# Altium PCB 宠物机器人&导购机器人.PcbDoc (part 1 of 14)
Units mil, origin at the board's own origin, x right, y up, seen from the top; angles counter-clockwise.
Board outline 6899.61 x 2204.72 mil, 2 copper layers (Top Layer, Bottom Layer); 229 components, 218 nets, 23463 pads, 263 vias.
Unrouted connection lines stored in the file: 107.
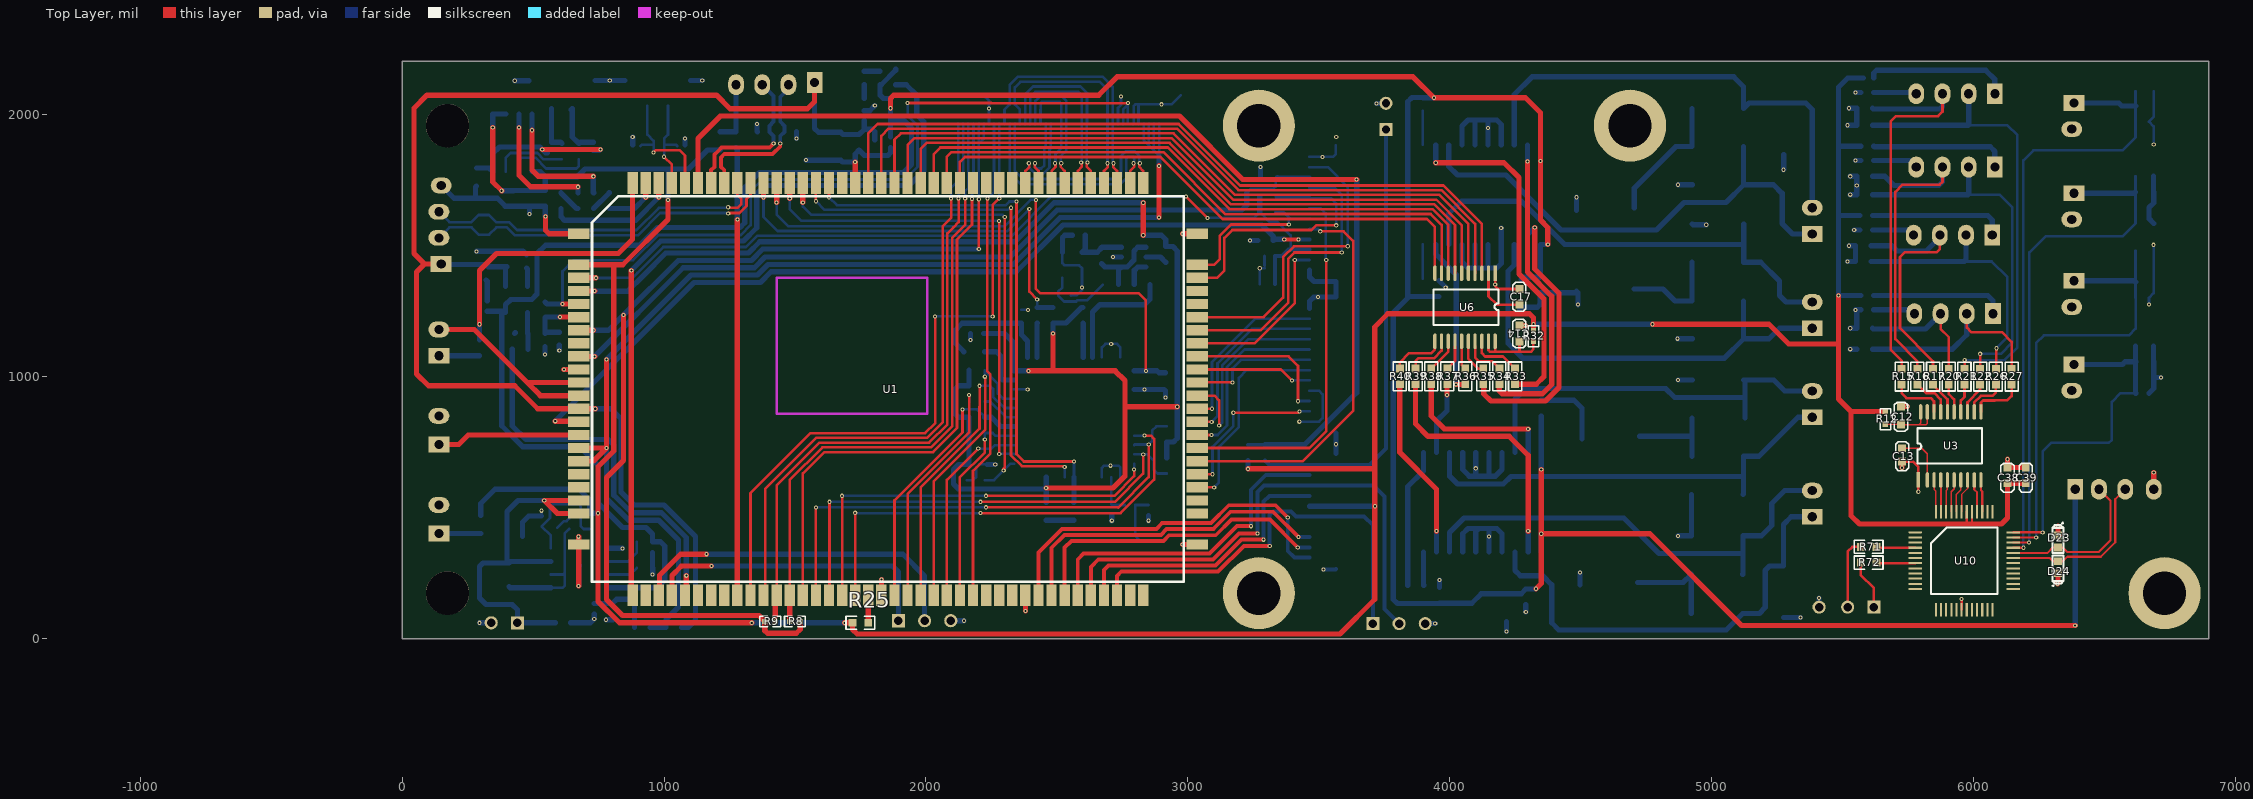
[diagram p0: Top Layer view]
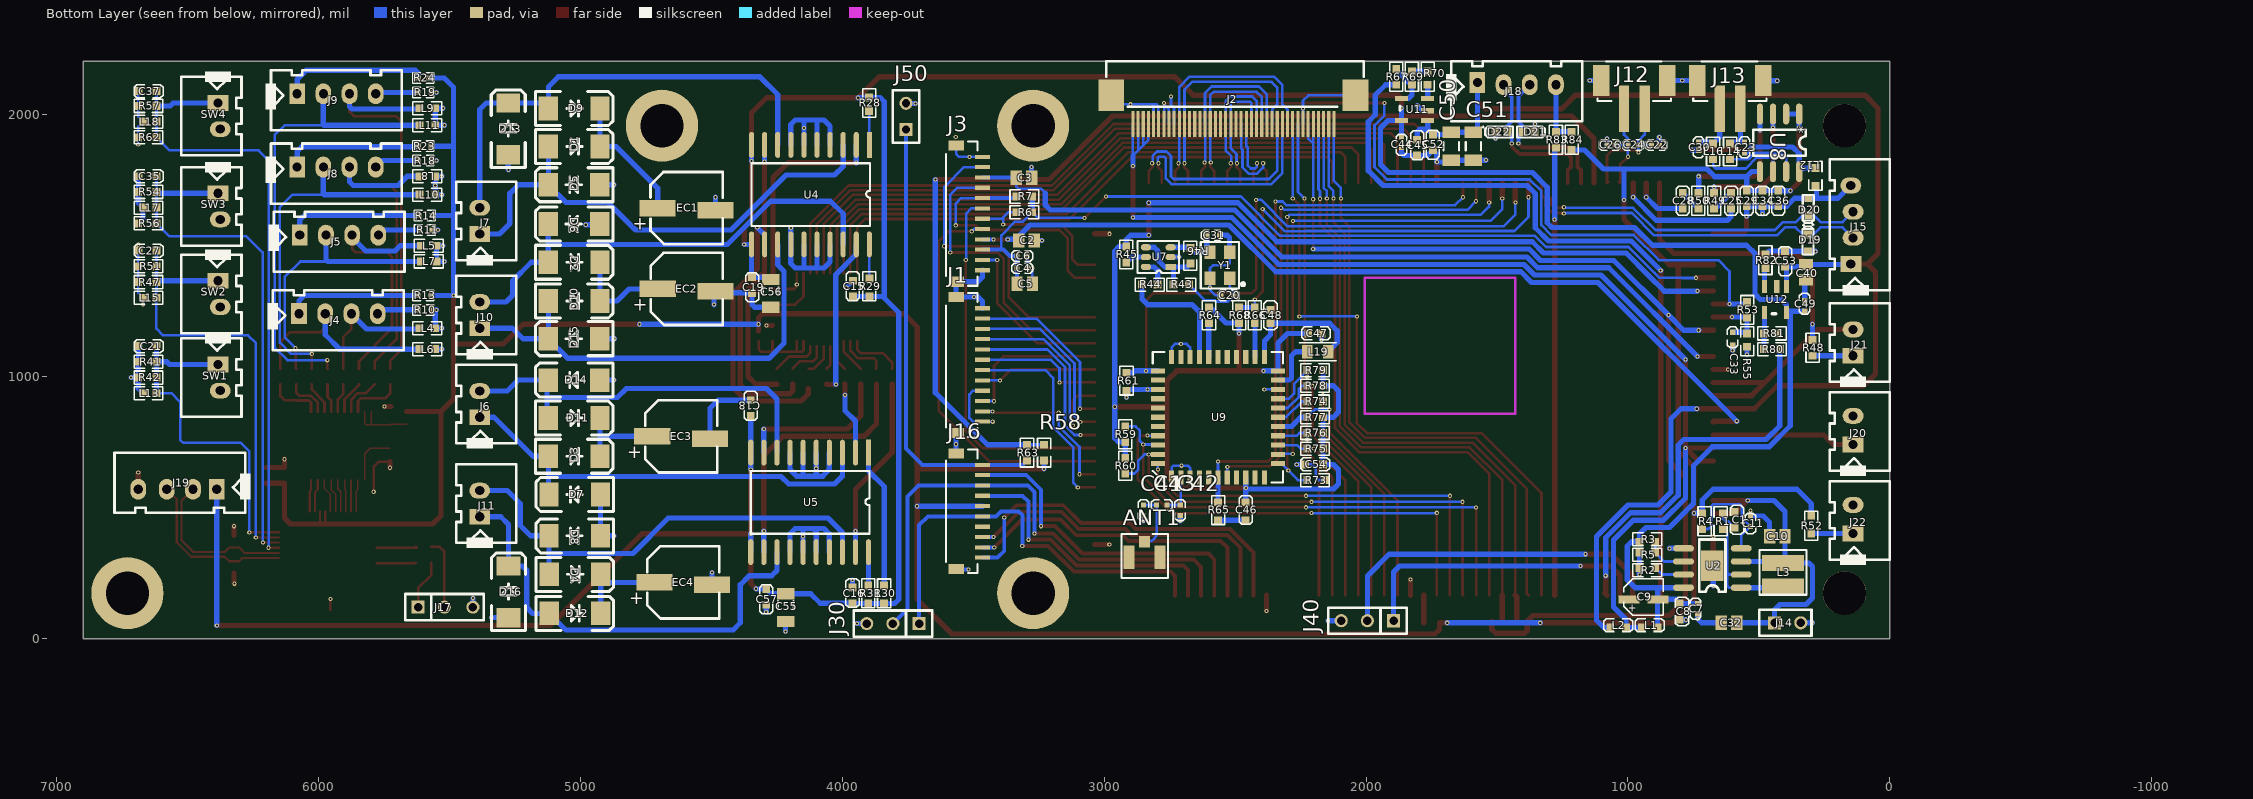
[diagram p1: Bottom Layer view, seen from below]
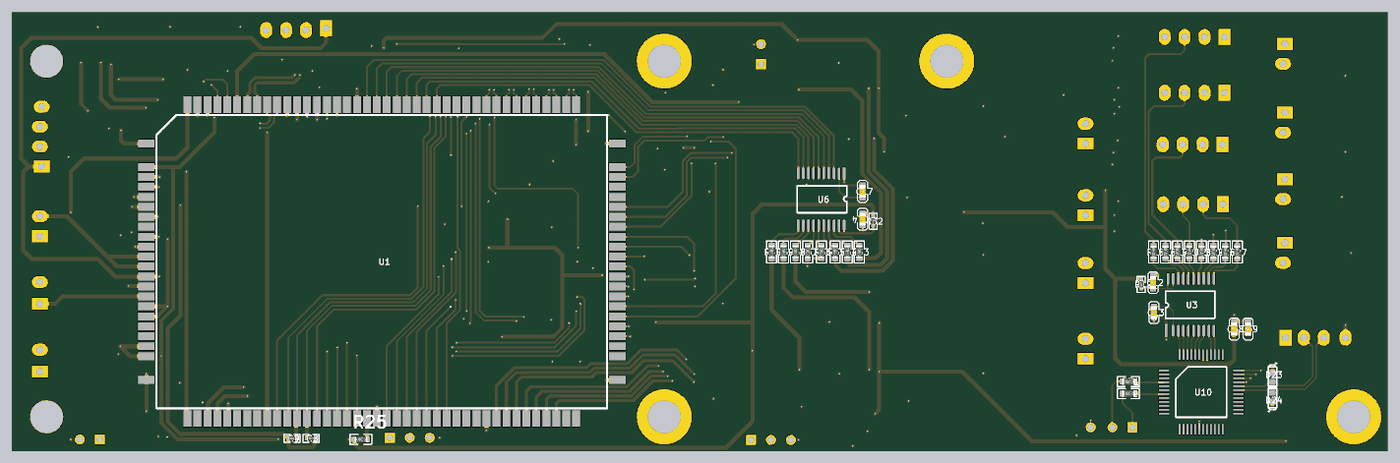
[diagram p15: 3D render of the assembled board from above, using the file's embedded part models]
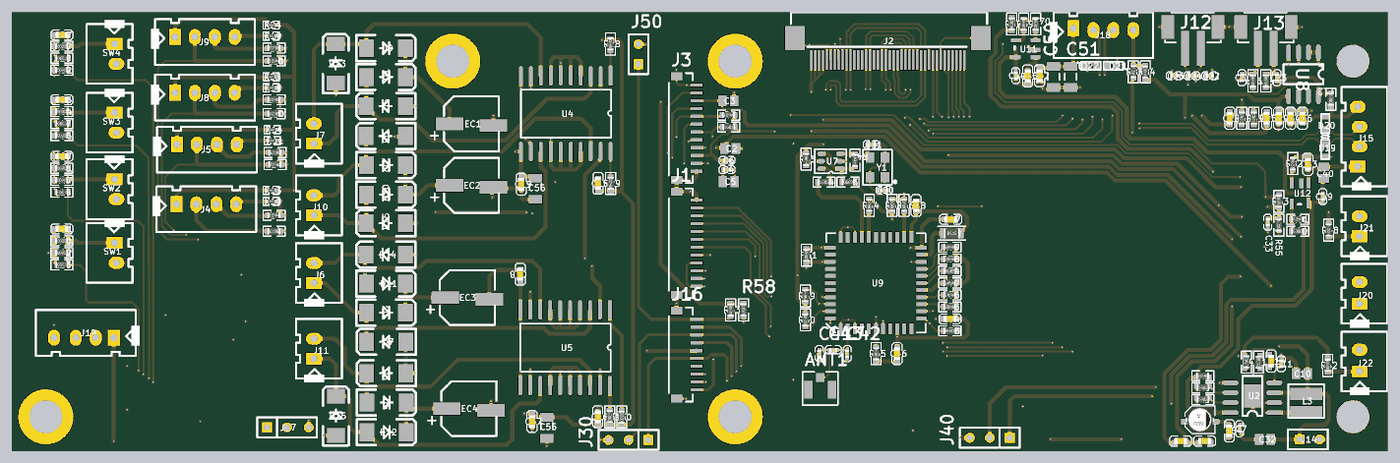
[diagram p16: 3D render of the assembled board from below, using the file's embedded part models]

## Layer stack, top to bottom
Top Solder: solder mask 0.4, Solder Resist, Dk 3.5
Top Layer: signal copper 1.4
Dielectric 1: dielectric 12.6, FR-4, Dk 4.8
Bottom Layer: signal copper 1.4
Bottom Solder: solder mask 0.4, Solder Resist, Dk 3.5

## Board outline
0,0 0,2204.72 6899.61,2204.72 6899.61,0

## Design rules (kind name [scope] priority, off if disabled: settings)
Clearance Clearance_1 [All] p1: gap=8 ignorepadtopadclearanceinfootprint=FALSE except(6: SMDPad-SMDPad)
DiffPairsRouting [All] p1: maxlimit=10 minlimit=8 mostfreqgap=10 toplayer_minwidth=8 toplayer_maxwidth=15 toplayer_prefwidth=8 bottomlayer_minwidth=8 bottomlayer_maxwidth=15 bottomlayer_prefwidth=8 maxuncoupledlength=500
MinimumSolderMaskSliver [All] p1: minsoldermaskwidth=2
PlaneConnect [All] p1: planeconnectstyle=Direct reliefexpansion=20 reliefentries=4 reliefconductorwidth=10 reliefairgap=10
PolygonConnect PolygonConnect_2 [IsVia] p1: connectstyle=Direct reliefconductorwidth=10 reliefentries=4 polygonreliefangle="90 Angle" airgapwidth=10
PolygonConnect [All] p2: connectstyle=Relief reliefconductorwidth=10 reliefentries=4 polygonreliefangle="90 Angle" airgapwidth=10
RoutingVias [All] p1: holewidth=8 width=16 viastyle="Through Hole" minholewidth=8 minwidth=16 maxholewidth=8 maxwidth=16
SilkToSilkClearance [All] p1: silktosilkclearance=-1
SilkToSolderMaskClearance [IsPad] p1: minsilkscreentomaskgap=-1 clearancetoexposedcopper=TRUE
SolderMaskExpansion [All] p1: expansion=4
Width [All] p1: maxlimit=20 minlimit=6 preferedwidth=15
25 further rules are at their usual default settings.

## Components (designator, comment, footprint, x,y, rotation, side; value= is the part's Value field where it differs from the comment)
ANT1 "IPEX" J-IPEX 2905,310 r90 bottom
C1 "2.2NF" C0603#1 583.5,423.25 r90 bottom
C2 "226M50V" C0805#1 3297.31,1520 r180 bottom
C3 "226M50V" C0805#1 3307,1760 r180 bottom
C4 "104J10V" C0402#1 3333.31,1414 r180 bottom
C5 "226M50V" C0805#1 3303.79,1354 r180 bottom
C6 "104J10V" C0402#1 3333.31,1461 r180 bottom
C7 "0.1UF" C0402#2 742.5,133.25 r270 bottom
C8 "22UF" C0603#1 793.5,73.25 r90 bottom
C9 "100UF" CD3X5.3SMD 996,158.5 r0 bottom
C10 "226K25V" C0805#2 438.53,390 r180 bottom
C11 "1NF" C0402#3 532.5,419.25 r90 bottom
C12 "0.1UF" C0603#2 5723.94,816.92 r90 top
C13 "0.1UF" C0603#3 5727.94,666.42 r90 top
C14 "0.1UF" C0603#4 4266.73,1134.92 r90 top
C15 "0.1UF" C0603#5 3960,1315.5 r90 bottom
C16 "0.1UF" C0603#5 3961.25,143.5 r90 bottom
C17 "0.1UF" C0603#4 4266.73,1334.92 r270 top
C18 "0.1UF" C0603#6 4350,919 r270 bottom
C19 "0.1UF" C0603#6 4345,1311 r90 bottom
C20 "220J10V" C0402#4 2505,1310 r0 bottom
C21 "1uf" C0603#2 6619.5,1116.69 r0 bottom
C22 "33PF" C0402#5 871.31,1885 r0 bottom
C23 "1NF" C0402#1 555,1895.5 r270 bottom
C24 "100PF" C0402#1 960.31,1885 r0 bottom
C25 "4.7NF" C0603#4 606,1642 r90 bottom
C26 "33PF" C0402#6 1049.31,1885 r0 bottom
C27 "1uf" C0603#2 6619.5,1481.25 r0 bottom
C28 "4.7NF" C0603#4 791,1642 r90 bottom
C29 "10UF" C0603#5 546.25,1702 r270 bottom
C30 "1NF" C0402#6 730,1895.5 r270 bottom
C31 "220J10V" C0402#4 2609,1540 r180 bottom
C32 "226K25V" C0805#2 605,60 r0 bottom
C33 "104J10V" C0402#4 600,1170 r270 bottom
C34 "10UF" C0603#5 486.25,1702 r270 bottom
C35 "1uf" C0603#2 6619.5,1765.37 r0 bottom
C36 "1uf" C0603#5 426.25,1702 r270 bottom
C37 "1uf" C0603#2 6619.5,2090.37 r0 bottom
C38 "0.1UF" C0603#6 6130.5,584.37 r90 top
C39 "10UF" C0603#6 6200.5,584.37 r90 top
C40 "226K25V" C0805#2 320,1390 r90 bottom
C41 "NC" C0402#1 2850,470 r90 bottom
C42 "NC" C0402#1 2710,470 r90 bottom
C43 "330J10V" C0402#1 2760,510 r0 bottom
C44 "104J10V" C0402#3 1865,1866 r90 bottom
C45 "10UF" C0603#6 1805,1914 r270 bottom
C46 "106K50V" C0603#2 2460,520.5 r270 bottom
C47 "475K16V" C0603#3 2161,1165 r0 bottom
C48 "475K16V" C0603#3 2365,1264 r270 bottom
C49 "104J10V" C0402#3 325,1299 r270 bottom
C50 "220UF 20%" C1206#1 1675,1880 r270 bottom
C51 "220UF 20%" C1206#1 1590,1880 r270 bottom
C52 "106K50V" C0603#6 1745,1856 r90 bottom
C53 "10UF" C0603#6 400,1411 r90 bottom
C54 "105K16V" C0603#2 2164.5,665 r0 bottom
C55 "220UF 20%" C1206#2 4217,127 r270 bottom
C56 "220UF 20%" C1206#2 4274,1327 r270 bottom
C57 "106K50V" C0603#6 4291,119.71 r90 bottom
D1 "RS1M" D-SMA/DO-214AC 5122.69,1879 r180 bottom
D2 "RS1M" D-SMA/DO-214AC 5122.69,1437 r180 bottom
D3 "RS1M" D-SMA/DO-214AC 5122.69,696 r180 bottom
D4 "RS1M" D-SMA/DO-214AC 5119.69,245 r180 bottom
D5 "RS1M" D-SMA/DO-214AC 4926.69,1733 r0 bottom
D6 "RS1M" D-SMA/DO-214AC 4926.69,1583 r0 bottom
D7 "RS1M" D-SMA/DO-214AC 4923.69,550 r0 bottom
D8 "RS1M" D-SMA/DO-214AC 4923.69,392 r0 bottom
D9 "RS1M" D-SMA/DO-214AC 5122.69,2024 r180 bottom
D10 "RS1M" D-SMA/DO-214AC 5122.69,1289 r180 bottom
D11 "RS1M" D-SMA/DO-214AC 5122.69,842 r180 bottom
D12 "RS1M" D-SMA/DO-214AC 5119.69,96 r180 bottom
D13 "RS1M" D-SMA/DO-214AC 5276,1848.15 r90 bottom
D14 "RS1M" D-SMA/DO-214AC 4926.69,987 r0 bottom
D15 "RS1M" D-SMA/DO-214AC 4926.69,1145 r0 bottom
D16 "RS1M" D-SMA/DO-214AC 5275,80 r90 bottom
D19 "ESDA_TR1/0603" HS_0603D#1 312.04,1515 r270 bottom
D20 "ESDA_TR1/0603" HS_0603D#1 311.54,1645 r90 bottom
D21 "ESDA_TR1/0603" HS_0603D#2 1375,1935 r0 bottom
D22 "ESDA_TR1/0603" HS_0603D#2 1487.5,1935 r180 bottom
D23 "ESDA_TR1/0603" HS_0603D#2 6323,375 r270 top
D24 "ESDA_TR1/0603" HS_0603D#2 6323,267.5 r90 top
EC1 "100uF/16V" CD6.3x8SMD 4705.47,1644 r90 bottom
EC2 "100uF/16V" CD6.3x8SMD 4705,1335 r90 bottom
EC3 "100uF/16V" CD6.3x8SMD 4726,772 r90 bottom
EC4 "100uF/16V" CD6.3x8SMD 4718,214 r90 bottom
J1 "SH1.0-T-1-LT-12A_卧式" J-SH1.0-T-1-LT-12A_立式 3465,1261.22 r270 bottom locked
J2 "LCD_40P" "LCD P40" 2973.23,2074.57 r180 bottom locked
J3 "SH1.0-T-1-LT-12A_卧式" J-SH1.0-T-1-LT-12A_立式 3465,1839.33 r270 bottom locked
J4 "XH2.54-4P" XH2.54-4P#1 6075,1240.37 r180 bottom
J5 "XH2.54-4P" XH2.54-4P#1 6072.21,1540.35 r180 bottom
J6 "XH2.54-2P" XH2.54-2P#1 5385,845 r90 bottom
J7 "XH2.54-2P" XH2.54-2P#1 5385,1545 r90 bottom
J8 "XH2.54-4P" XH2.54-4P#1 6082.21,1800.35 r180 bottom
J9 "XH2.54-4P" XH2.54-4P#1 6082.21,2080.35 r180 bottom
J10 "XH2.54-2P" XH2.54-2P#1 5385,1185 r90 bottom
J11 "XH2.54-2P" XH2.54-2P#1 5385,465 r90 bottom
J12 "SH1.0-T-1-LT-2A_卧式" J-SH2.0-T-1-LT-2A_立式 936.26,2022.73 r0 bottom
J13 "SH1.0-T-1-LT-2A_卧式" J-SH2.0-T-1-LT-2A_立式 570.65,2022.73 r0 bottom
J14 "S2.54-2P" S2.54-2P#1 449,60 r180 bottom
J15 "XH2.54-4P" XH2.54-4P#2 140,1430 r90 bottom
J16 "SH1.0-T-1-LT-10A_卧式" J-SH1.0-T-1-LT-10A_立式 3465,663.11 r270 bottom locked
J17 "S2.54-3P" S2.54-3P#1 5620,120 r180 bottom
J18 "XH2.54-4P" XH2.54-4P#3 1575,2115 r180 bottom locked
J19 "XH2.54-4P" XH2.54-4P#4 6380,570 r0 bottom
J20 "XH2.54-2P" XH2.54-2P#2 140,741 r90 bottom
J21 "XH2.54-2P" XH2.54-2P#1 140,1080 r90 bottom
J22 "XH2.54-2P" XH2.54-2P#2 140,401 r90 bottom
J30 "S2.54-3P" S2.54-3P#2 3707,57 r0 bottom
J40 "S2.54-3P" S2.54-3P#2 1895,68 r0 bottom
J50 "S2.54-2P" S2.54-2P#2 3757,1944 r90 bottom
L1 "10uH" C0603#1 887.29,51.28 r0 bottom
L2 "10uH NC" C0603#1 1007.5,51.28 r0 bottom
L3 "3.3uH" LSMD3521 407.5,297.25 r270 bottom
L4 "120R" R0603#1 5555,1185 r0 bottom
L5 "120R" R0603#1 5550,1500 r0 bottom
L6 "120R" R0603#1 5555,1105 r0 bottom
L7 "120R" R0603#1 5550,1440 r0 bottom
L8 "120R" R0603#1 5555,1765 r0 bottom
L9 "120R" R0603#1 5555,2025 r0 bottom
L10 "120R" R0603#1 5555,1695 r0 bottom
L11 "120R" R0603#1 5555,1960 r0 bottom
L12 "120R" R0603#2 284,1737 r90 bottom
L13 "120R" R0603#3 6680,936.69 r180 bottom
L14 "120R" R0603#1 610,1890 r270 bottom
L15 "120R" R0603#3 6680,1301.25 r180 bottom
L16 "120R" R0603#1 675,1890 r270 bottom
L17 "120R" R0603#3 6680,1645.37 r180 bottom
L18 "120R" R0603#3 6680,1973.87 r180 bottom
L19 "3.3uH" L0805 2225,1095 r180 bottom
R1 "1.5R" R0603#4 646.5,478.25 r270 bottom
R2 "43K" R0603#4 956,260.5 r180 bottom
R3 "73K" R0603#4 896,378.5 r0 bottom
R4 "10K" R0603#4 707.5,418.25 r90 bottom
R5 "10K" R0603#4 956,319.5 r180 bottom
R6 "100KF" R0603#1 3335,1628 r180 bottom
R7 "100KF" R0603#1 3275,1688 r0 bottom
R8 "4.7KF" R0402#1 1520,65 r180 top
R9 "4.7KF" R0402#1 1385,65 r0 top
R10 "0R" R0402#2 5620,1255.16 r180 bottom
R11 "200K" R0402#2 5615,1560 r180 bottom
R12 "200K" R0402#2 5663.94,817.92 r90 top
R13 "200K" R0402#2 5620,1310 r180 bottom
R14 "200K" R0402#2 5615,1615 r180 bottom
R15 "0R" R0603#1 5726.21,1030.35 r270 top
R16 "0R" R0603#1 5786.21,1030.35 r270 top
R17 "0R" R0603#1 5846.21,1030.35 r270 top
R18 "200K" R0402#2 5620,1825 r180 bottom
R19 "200K" R0402#2 5620,2085 r180 bottom
R20 "0R" R0603#1 5906.21,1030.35 r270 top
R21 "0R" R0603#1 5966.21,1030.35 r270 top
R22 "0R" R0603#1 6026.21,1030.35 r270 top
R23 "200K" R0402#2 5620,1880 r180 bottom
R24 "200K" R0402#1 5620,2140.35 r180 bottom
R25 "10k" R0603#1 1720,60 r0 top
R26 "0R" R0603#1 6086.21,1030.35 r270 top
R27 "0R" R0603#1 6146.21,1030.35 r270 top
R28 "0R" R0603#5 3898,2015 r90 bottom
R29 "0R" R0603#2 3897,1315 r90 bottom
R30 "0R" R0603#6 3841,202.29 r270 bottom
R31 "0R" R0603#2 3901.25,143 r90 bottom
R32 "200K" R0402#1 4320,1135 r90 top
R33 "0R" R0603#1 4250,970.92 r90 top
R34 "0R" R0603#1 4190,970.92 r90 top
R35 "0R" R0603#1 4128.54,970.92 r90 top
R36 "0R" R0603#1 4059.98,970.92 r90 top
R37 "0R" R0603#1 3991.42,970.92 r90 top
R38 "0R" R0603#1 3930,970.92 r90 top
R39 "0R" R0603#1 3870,970.92 r90 top
R40 "0R" R0603#1 3810,970.92 r90 top
R41 "0R" R0603#6 6620,1056.69 r0 bottom
R42 "10K" R0603#6 6620,996.69 r0 bottom
R43 "100RF" R0603#1 2735.98,1351.57 r180 bottom
R44 "470RF" R0603#1 2855.98,1351.57 r180 bottom
R45 "3KF" R0603#1 2915.98,1496.57 r270 bottom
R46 "560KF" R0603#1 2670.98,1491.57 r270 bottom
R47 "0R" R0603#6 6620,1361.25 r0 bottom
R48 "2.49KF" R0603#1 295,1080 r90 bottom
R49 "150K" R0603#1 671,1642 r90 bottom
R50 "150K" R0603#1 731,1642 r90 bottom
R51 "10K" R0603#6 6620,1421.25 r0 bottom
R52 "100R" R0603#6 300,401 r90 bottom
R53 "10KF" R0603#1 545,1225 r90 bottom
R54 "0R" R0603#6 6620,1705.37 r0 bottom
R55 "10KF" R0603#3 545,1105 r90 bottom
R56 "10K" R0603#6 6620,1585.37 r0 bottom
R57 "0R" R0603#6 6620,2033.87 r0 bottom
R58 "100KF" R0603#1 3230,680 r90 bottom
R59 "10KF" R0603#1 2920,750 r90 bottom
R60 "10KF" R0603#1 2920,690 r270 bottom
R61 "100KF" R0603#6 2915,1015 r270 bottom
R62 "10K" R0603#6 6620,1913.87 r0 bottom
R63 "6.8KF" R0603#1 3295,740 r270 bottom
R64 "0R" R0603#1 2600,1204.5 r90 bottom
R65 "100KF" R0603#6 2565,520.5 r270 bottom
R66 "0R" R0603#1 2425,1204.5 r90 bottom
R67 "4.7K" R0603#1 1885,2115 r90 bottom
R68 "10KF" R0603#1 2485,1204.5 r90 bottom
R69 "100K" R0603#3 1825,2175 r270 bottom
R70 "6.8K" R0603#3 1765,2175 r270 bottom
R71 "22R" R0603#1 5570,350 r0 top
R72 "22R" R0603#1 5570,290 r0 top
R73 "100KF" R0603#6 2225,605 r180 bottom
R74 "33RF" R0603#1 2225,905 r180 bottom
R75 "33KF" R0603#1 2165,725 r0 bottom
R76 "33KF" R0603#1 2165,785 r0 bottom
R77 "33KF" R0603#1 2165,845 r0 bottom
R78 "33KF" R0603#1 2165,965 r0 bottom
R79 "33KF" R0603#1 2165,1025 r0 bottom
R80 "4.7K" R0603#1 420,1105 r0 bottom
R81 "100K" R0603#3 420,1165 r0 bottom
R82 "6.8K" R0603#3 475,1475 r270 bottom
R83 "1KF" R0603#1 1275,1875 r90 bottom
R84 "47KF" R0603#6 1215,1935 r270 bottom
SW1 "XH2.54-2P" XH2.54-2P#3 6385,1046.69 r270 bottom
SW2 "XH2.54-2P" XH2.54-2P#3 6385,1366 r270 bottom
SW3 "XH2.54-2P" XH2.54-2P#3 6385,1700.37 r270 bottom
SW4 "XH2.54-2P" XH2.54-2P#3 6385,2045.37 r270 bottom
U1 "A33 CORE2" A33-CORE2 673.9,1427.4 r0 top locked
U2 "FP6267B" U-SOP-8N-1 567.5,203.25 r0 bottom
U3 "SN74GTL2003" "U-TSSOP20 - duplicate"#1 5798.84,605.5 r90 top
U4 "L293DD" S020 3897,1884.92 r270 bottom locked
U5 "L293DD" S020 3900,710 r270 bottom locked
U6 "SN74GTL2003" "U-TSSOP20 - duplicate"#2 4174.09,1395 r270 top
U7 "NL27WZU04" U-TSOP-6 2746.5,1419.17 r0 bottom
U8 "CS8508E" SO-8 346,2003 r270 bottom locked
U9 "AP6210" AP6210 2742.83,615.67 r90 bottom locked
U10 "CH559L" LQFP48 5778.15,405.65 r0 top locked
U11 "AP2191WG-7" SOT23-5 1815,2025 r0 bottom
U12 "AP2191WG-7" SOT23-5 441.5,1295 r270 bottom
Y1 "26MHz" Y-CPX-32GA-4P 2521.18,1376.57 r90 bottom locked

## Footprints (in the part's own frame and the unit in brackets; to place one, negate y for a bottom-side part, rotate by r counter-clockwise, add the part's x,y. Pads: shape width x height; smd on the part's side, far side on the other; paste and mask are expansions set on the pad)
A33-CORE2 [mm]
  rect 2.1x1 smd: 1(0,0) 2(0,-1.27) 3(0,-2.54) 4(0,-3.81) 5(0,-5.08) 6(0,-6.35) 7(0,-7.62) 8(0,-8.89) 9(0,-10.16) 10(0,-11.43) 11(0,-12.7) 12(0,-13.97) 13(0,-15.24) 14(0,-16.51) 15(0,-17.78) 16(0,-19.05) 17(0,-20.32) 18(0,-21.59) 19(0,-22.86) 20(0,-24.13) 61(60,-24.13) 62(60,-22.86) 63(60,-21.59) 64(60,-20.32) 65(60,-19.05) 66(60,-17.78) 67(60,-16.51) 68(60,-15.24) 69(60,-13.97) 70(60,-12.7) 71(60,-11.43) 72(60,-10.16) 73(60,-8.89) 74(60,-7.62) 75(60,-6.35) 76(60,-5.08) 77(60,-3.81) 78(60,-2.54) 79(60,-1.27) 80(60,0) 121(0,3) 122(0,-27.13) 123(60,-27.13) 124(60,3)
  rect 1x2.1 smd: 21(5.235,-32.065) 22(6.505,-32.065) 23(7.775,-32.065) 24(9.045,-32.065) 25(10.315,-32.065) 26(11.585,-32.065) 27(12.855,-32.065) 28(14.125,-32.065) 29(15.395,-32.065) 30(16.665,-32.065) 31(17.935,-32.065) 32(19.205,-32.065) 33(20.475,-32.065) 34(21.745,-32.065) 35(23.015,-32.065) 36(24.285,-32.065) 37(25.555,-32.065) 38(26.825,-32.065) 39(28.095,-32.065) 40(29.365,-32.065) 41(30.635,-32.065) 42(31.905,-32.065) 43(33.175,-32.065) 44(34.445,-32.065) 45(35.715,-32.065) 46(36.985,-32.065) 47(38.255,-32.065) 48(39.525,-32.065) 49(40.795,-32.065) 50(42.065,-32.065) 51(43.335,-32.065) 52(44.605,-32.065) 53(45.875,-32.065) 54(47.145,-32.065) 55(48.415,-32.065) 56(49.685,-32.065) 57(50.955,-32.065) 58(52.225,-32.065) 59(53.495,-32.065) 60(54.765,-32.065) 81(54.765,7.935) 82(53.495,7.935) 83(52.225,7.935) 84(50.955,7.935) 85(49.685,7.935) 86(48.415,7.935) 87(47.145,7.935) 88(45.875,7.935) 89(44.605,7.935) 90(43.335,7.935) 91(42.065,7.935) 92(40.795,7.935) 93(39.525,7.935) 94(38.255,7.935) 95(36.985,7.935) 96(35.715,7.935) 97(34.445,7.935) 98(33.175,7.935) 99(31.905,7.935) 100(30.635,7.935) 101(29.365,7.935) 102(28.095,7.935) 103(26.825,7.935) 104(25.555,7.935) 105(24.285,7.935) 106(23.015,7.935) 107(21.745,7.935) 108(20.475,7.935) 109(19.205,7.935) 110(17.935,7.935) 111(16.665,7.935) 112(15.395,7.935) 113(14.125,7.935) 114(12.855,7.935) 115(11.585,7.935) 116(10.315,7.935) 117(9.045,7.935) 118(7.775,7.935) 119(6.505,7.935) 120(5.235,7.935)
  Keep-Out Layer lines w0.254: 19.2,-14.465 33.8,-14.465 33.8,-1.265 19.2,-1.265 19.2,-14.465
  silkscreen extent 1.3,-30.76 58.7,6.63, body extent 0,-32.06 59.69,7.94, height 1.5
AP6210 [mm]
  rect 1.35x0.5 smd: 1(0,0) 2(0,-0.9) 3(0,-1.8) 4(0,-2.7) 5(0,-3.6) 6(0,-4.5) 7(0,-5.4) 8(0,-6.3) 9(0,-7.2) 10(0,-8.1) 11(0,-9) 23(11.65,-9) 24(11.65,-8.1) 25(11.65,-7.2) 26(11.65,-6.3) 27(11.65,-5.4) 28(11.65,-4.5) 29(11.65,-3.6) 30(11.65,-2.7) 31(11.65,-1.8) 32(11.65,-0.9) 33(11.65,0)
  rect 0.5x1.35 smd: 12(1.325,-10.325) 13(2.225,-10.325) 14(3.125,-10.325) 15(4.025,-10.325) 16(4.925,-10.325) 17(5.825,-10.325) 18(6.725,-10.325) 19(7.625,-10.325) 20(8.525,-10.325) 21(9.425,-10.325) 22(10.325,-10.325) 34(10.325,1.325) 35(9.425,1.325) 36(8.525,1.325) 37(7.625,1.325) 38(6.725,1.325) 39(5.825,1.325) 40(4.925,1.325) 41(4.025,1.325) 42(3.125,1.325) 43(2.225,1.325) 44(1.325,1.325)
  silkscreen extent -0.5,-10.83 12.15,1.83, body extent -0.2,-10.5 11.9,1.5, height 1.5
C0402#1 [mil]
  rect 20x20 smd: 1(0,0) 2(40,0)
  silkscreen extent -20,-20 60,20, body extent 0,-10 40,10, height 20
C0402#2 [mil]
  rect 20x20 smd: 1(0,9) 2(40,9)
  silkscreen extent -20,-20 60,20, body extent 0,-10 40,10, height 20
C0402#3 [mil]
  rect 20x20 smd: 1(9,0) 2(49,0)
  silkscreen extent -20,-20 60,20, body extent 0,-10 40,10, height 20
C0402#4 [mil]
  rect 20x20 smd: 1(0,0) 2(49,0)
  silkscreen extent -20,-20 60,20, body extent 0,-10 40,10, height 20
C0402#5 [mil]
  rect 20x20 smd: 1(9,0) 2(40,0)
  silkscreen extent -20,-20 60,20, body extent 0,-10 40,10, height 20
C0402#6 [mil]
  rect 20x20 smd: 1(0,0) 2(31,0)
  silkscreen extent -20,-20 60,20, body extent 0,-10 40,10, height 20
C0603#1 [mil]
  rect 30x30 smd: 1(0,9) 2(60,9)
  silkscreen extent -25,-25 85,25, body extent -1,-15 61,16, height 12
C0603#2 [mil]
  rect 30x30 smd: 1(0,0) 2(69,0)
  silkscreen extent -25,-25 85,25, body extent -1,-15 61,16, height 12
C0603#3 [mil]
  rect 30x30 smd: 1(9,0) 2(60,0)
  silkscreen extent -25,-25 85,25, body extent -1,-15 61,16, height 12
C0603#4 [mil]
  rect 30x30 smd: 1(0,0) 2(60,0)
  silkscreen extent -25,-25 85,25, body extent -1,-15 61,16, height 12
C0603#5 [mil]
  rect 30x30 smd: 1(-9,0) 2(51,0)
  silkscreen extent -25,-25 85,25, body extent -1,-15 61,16, height 12
C0603#6 [mil]
  rect 30x30 smd: 1(9,0) 2(69,0)
  silkscreen extent -25,-25 85,25, body extent -1,-15 61,16, height 12
C0805#1 [mm]
  rect 1.1x1.4 smd: 1(-0.75,0) 2(0.75,0)
  body extent -1.1,-0.72 1.1,0.72, height 1.4
C0805#2 [mm]
  rect 1.1x1.4 smd: 1(-0.521,0) 2(0.979,0)
  body extent -1.1,-0.72 1.1,0.72, height 1.4
C1206#1 [mm]
  rect 1.1x1.7 smd: 1(-1.35,0) 2(1.35,0)
  silkscreen extent -0.4,-0.75 0.4,0.75, body extent -1.7,-0.9 1.7,0.9, height 1.3
C1206#2 [mm]
  rect 1.1x1.7 smd: 1(-1.121,0) 2(1.579,0)
  silkscreen extent -0.4,-0.75 0.4,0.75, body extent -1.7,-0.9 1.7,0.9, height 1.3
CD3X5.3SMD [mil] "A"
  rect 80x30 smd: 1(0,9) 2(-110,9)
  silkscreen extent -130,-70 20,70, body extent -126,-65 16,65, height 213
CD6.3x8SMD [mm]
  rect 1.6x3.5 smd: 1(0,0) 2(-0.229,-5.6)
  silkscreen extent -3.5,-6.3 3.5,0.7, body extent -3.33,-6.76 3.33,1.19, height 8.3
D-SMA/DO-214AC [mil]
  rect 74x90 smd: 1(0,0) 2(196.85,0)
  silkscreen extent -50,-65 246,65, body extent -21,-57 216,57, height 91
HS_0603D#1 [mil]
  rect 30x30 smd: 1(-27.5,0) 2(36.5,0)
  silkscreen extent -70,-21 49,23
HS_0603D#2 [mil]
  rect 30x30 smd: 1(-18.5,0) 2(27.5,0)
  silkscreen extent -70,-21 49,23
J-IPEX [mm]
  rect 1.1x1.05 smd: 1(1.525,-1.5)
  rect 2.25x1.05 smd: 2(0,0) 3(0,-3)
  Top Layer pour cut-out: -1.125,-0.525 -1.125,-2.475 0.975,-2.475 0.975,-0.525
  silkscreen extent -2,-3.75 2.25,0.75
J-SH1.0-T-1-LT-10A_立式 [mm]
  rect 0.4x1.5 smd: 1(0,0) 2(1,0) 3(2,0) 4(3,0) 5(4,0) 6(5,0) 7(6,0) 8(7,0) 9(8,0) 10(9,0)
  rect 1x1.5 smd: 11(-1.1,-2.56) 12(10.1,-2.56)
  silkscreen extent -1.5,-3.56 10.5,-0.5
J-SH1.0-T-1-LT-12A_立式 [mm]
  rect 0.4x1.5 smd: 1(0,0) 2(1,0) 3(2,0) 4(3,0) 5(4,0) 6(5,0) 7(6,0) 8(7,0) 9(8,0) 10(9,0) 11(10,0) 12(11,0)
  rect 1x1.5 smd: 13(-1.1,-2.56) 14(12.1,-2.56)
  silkscreen extent -1.5,-3.56 12.5,-0.5
J-SH2.0-T-1-LT-2A_立式 [mm]
  rect 1x4.5 smd: 1(0,0) 2(2,0)
  rect 1.6x3 smd: 3(-2.2,-2.75) 4(4.2,-2.75)
  silkscreen extent -2.54,-4.57 4.57,-0.76
L0805 [mil]
  rect 40x50 smd: 1(0,0) 2(80,0)
  silkscreen extent -30,-35 110,35, body extent 1,-25 79,25, height 22
"LCD P40" [mm]
  rect 0.3x2.54 smd: 1(2.1,-2.783) 2(2.6,-2.783) 3(3.1,-2.783) 4(3.6,-2.783) 5(4.1,-2.783) 6(4.6,-2.783) 7(5.1,-2.783) 8(5.6,-2.783) 9(6.1,-2.783) 10(6.6,-2.783) 11(7.1,-2.783) 12(7.6,-2.783) 13(8.1,-2.783) 14(8.6,-2.783) 15(9.1,-2.783) 16(9.6,-2.783) 17(10.1,-2.783) 18(10.6,-2.783) 19(11.1,-2.783) 20(11.6,-2.783) 21(12.1,-2.783) 22(12.6,-2.783) 23(13.1,-2.783) 24(13.6,-2.783) 25(14.1,-2.783) 26(14.6,-2.783) 27(15.1,-2.783) 28(15.6,-2.783) 29(16.1,-2.783) 30(16.6,-2.783) 31(17.1,-2.783) 32(17.6,-2.783) 33(18.1,-2.783) 34(18.6,-2.783) 35(19.1,-2.783) 36(19.6,-2.783) 37(20.1,-2.783) 38(20.6,-2.783) 39(21.1,-2.783) 40(21.6,-2.783)
  rect 2.5x3.048 smd: 41(23.7,0) 42(0,0)
  silkscreen extent -0.5,-1.1 24.5,3.3
LQFP48 [mm]
  oval 1.321x0.2 smd: 1(0,0)
  rect 1.321x0.2 smd: 2(0,-0.5) 3(0,-1) 4(0,-1.5) 5(0,-2) 6(0,-2.5) 7(0,-3) 8(0,-3.5) 9(0,-4) 10(0,-4.5) 11(0,-5) 12(0,-5.5) 25(9.5,-5.5) 26(9.5,-5) 27(9.5,-4.5) 28(9.5,-4) 29(9.5,-3.5) 30(9.5,-3) 31(9.5,-2.5) 32(9.5,-2) 33(9.5,-1.5) 34(9.5,-1) 35(9.5,-0.5) 36(9.5,0)
  rect 0.2x1.321 smd: 13(2,-7.5) 14(2.5,-7.5) 15(3,-7.5) 16(3.5,-7.5) 17(4,-7.5) 18(4.5,-7.5) 19(5,-7.5) 20(5.5,-7.5) 21(6,-7.5) 22(6.5,-7.5) 23(7,-7.5) 24(7.5,-7.5) 37(7.5,2) 38(7,2) 39(6.5,2) 40(6,2) 41(5.5,2) 42(5,2) 43(4.5,2) 44(4,2) 45(3.5,2) 46(3,2) 47(2.5,2) 48(2,2)
  silkscreen extent 1.54,-5.96 7.96,0.47
LSMD3521 [mil]
  rect 60x160 smd: 1(9,0) 2(99,0)
  silkscreen extent -40,-90 130,90, body extent -15,-70 105,70, height 126
R0402#1 [mil]
  rect 20x20 smd: 1(0,0) 2(40,0)
  silkscreen extent -20,-20 60,20, body extent 0,-10 40,10, height 14
R0402#2 [mil]
  rect 20x20 smd: 1(0,0) 2(49,0)
  silkscreen extent -20,-20 60,20, body extent 0,-10 40,10, height 14
R0603#1 [mil]
  rect 30x30 smd: 1(0,0) 2(60,0)
  silkscreen extent -25,-25 85,25, body extent 0,-16 62,15, height 18
R0603#2 [mil]
  rect 30x30 smd: 1(-9,0) 2(60,0)
  silkscreen extent -25,-25 85,25, body extent 0,-16 62,15, height 18
R0603#3 [mil]
  rect 30x30 smd: 1(9,0) 2(60,0)
  silkscreen extent -25,-25 85,25, body extent 0,-16 62,15, height 18
R0603#4 [mil]
  rect 30x30 smd: 1(0,9) 2(60,9)
  silkscreen extent -25,-25 85,25, body extent 0,-16 62,15, height 18
R0603#5 [mil]
  rect 30x30 smd: 1(0,0) 2(51,0)
  silkscreen extent -25,-25 85,25, body extent 0,-16 62,15, height 18
R0603#6 [mil]
  rect 30x30 smd: 1(0,0) 2(69,0)
  silkscreen extent -25,-25 85,25, body extent 0,-16 62,15, height 18
S2.54-2P#1 [mil]
  rect 50x50 hole 32: 1(9,0)
  round 50 hole 32: 2(109,0)
  silkscreen extent -50,-50 150,50, body extent -50,-50 150,50, height 315
S2.54-2P#2 [mil]
  rect 50x50 hole 32: 1(0,0)
  round 50 hole 32: 2(100,0)
  silkscreen extent -50,-50 150,50, body extent -50,-50 150,50, height 315
S2.54-3P#1 [mil]
  rect 50x50 hole 32: 1(0,0)
  round 50 hole 32: 2(100,0) 3(209,0)
  silkscreen extent -50,-50 250,50, body extent -50,-50 250,50, height 315
S2.54-3P#2 [mil]
  rect 50x50 hole 32: 1(0,0)
  round 50 hole 32: 2(100,0) 3(200,0)
  silkscreen extent -50,-50 250,50, body extent -50,-50 250,50, height 315
S020 [mm]
  rect 2.5x0.49 smd: 1(0,0)
  oval 2.5x0.49 smd: 2(0,-1.27) 3(0,-2.54) 4(0,-3.81) 5(0,-5.08) 6(0,-6.35) 7(0,-7.62) 8(0,-8.89) 9(0,-10.16) 10(0,-11.43) 11(9.65,-11.43) 12(9.65,-10.16) 13(9.65,-8.89) 14(9.65,-7.62) 15(9.65,-6.35) 16(9.65,-5.08) 17(9.65,-3.81) 18(9.65,-2.54) 19(9.65,-1.27) 20(9.65,0)
  silkscreen extent 1.78,-11.43 7.87,0.07, body extent -0.13,-1.31 0.97,-1.01, height 0.25
SO-8 [mil]
  oval 80x24 smd: 1(0,0) 2(0,-50) 3(0,-100) 4(0,-150) 5(220,-150) 6(220,-100) 7(220,-50) 8(220,0)
  silkscreen extent 60,-175 160,25
SOT23-5 [mil]
  rect 50x20 smd: 1(-50,46.5) 2(-50,9.5) 3(-50,-37.5) 4(50,-37.5) 5(50,46.5)
  silkscreen extent 55,-8 55,8
U-SOP-8N-1 [mil]
  oval 80x24 smd: 1(0,9) 2(0,-41) 3(0,-91) 4(0,-141) 5(220,-141) 6(220,-91) 7(220,-41) 8(220,9)
  rect 85.98x116.97 smd: 9(110,-75)
  silkscreen extent 60,-175 160,25, body extent -8,-175 227,25, height 59
U-TSOP-6 [mm]
  rect 1x0.6 smd: 1(0,0)
  oval 1x0.6 smd: 2(0,-0.95) 3(0,-1.9) 4(2.4,-1.9) 5(2.4,-0.95) 6(2.4,0)
  silkscreen extent -0.8,-2.5 3.2,0.6
"U-TSSOP20 - duplicate"#1 [mm]
  rect 1.5x0.32 smd: 1(0,0.229)
  oval 1.5x0.32 smd: 2(0,-0.65) 3(0,-1.3) 4(0,-1.95) 5(0,-2.6) 6(0,-3.25) 7(0,-3.9) 8(0,-4.55) 9(0,-5.2) 10(0,-5.85) 11(6.6,-5.85) 12(6.6,-5.2) 13(6.6,-4.55) 14(6.6,-3.9) 15(6.6,-3.25) 16(6.6,-2.6) 17(6.6,-1.95) 18(6.6,-1.3) 19(6.6,-0.65) 20(6.6,0)
  silkscreen extent 1.58,-5.97 5.02,0.33, body extent 0,-6 6.6,0.3, height 1.5
"U-TSSOP20 - duplicate"#2 [mm]
  rect 1.5x0.32 smd: 1(0,0)
  oval 1.5x0.32 smd: 2(0,-0.65) 3(0,-1.3) 4(0,-1.95) 5(0,-2.6) 6(0,-3.25) 7(0,-3.9) 8(0,-4.55) 9(0,-5.2) 10(0,-5.85) 11(6.6,-5.85) 12(6.6,-5.2) 13(6.6,-4.55) 14(6.6,-3.9) 15(6.6,-3.25) 16(6.6,-2.6) 17(6.6,-1.95) 18(6.6,-1.3) 19(6.6,-0.65) 20(6.6,0)
  silkscreen extent 1.58,-5.97 5.02,0.33, body extent 0,-6 6.6,0.3, height 1.5
XH2.54-2P#1 [mil]
  rect 60x80 hole 35: 1(0,0)
  oval 60x80 hole 35: 2(100,0)
  silkscreen extent -120,-140 200,90, body extent -100,-140 200,90, height 256
XH2.54-2P#2 [mil]
  rect 60x80 hole 35: 1(0,0)
  oval 60x80 hole 35: 2(109,0)
  silkscreen extent -120,-140 200,90, body extent -100,-140 200,90, height 256
XH2.54-2P#3 [mil]
  rect 60x80 hole 35: 1(0,0)
  oval 60x80 hole 35: 2(100,9)
  silkscreen extent -120,-140 200,90, body extent -100,-140 200,90, height 256
XH2.54-4P#1 [mil]
  rect 60x80 hole 35: 1(0,0)
  oval 60x80 hole 35: 2(100,0) 3(200,0) 4(300,0)
  silkscreen extent -120,-140 400,90, body extent -100,-140 400,90, height 256
XH2.54-4P#2 [mil]
  rect 60x80 hole 35: 1(0,9)
  oval 60x80 hole 35: 2(100,0) 3(200,0) 4(300,9)
  silkscreen extent -120,-140 400,90, body extent -100,-140 400,90, height 256
XH2.54-4P#3 [mil]
  rect 60x80 hole 35: 1(0,9)
  oval 60x80 hole 35: 2(100,0) 3(200,0) 4(300,0)
  silkscreen extent -120,-140 400,90, body extent -100,-140 400,90, height 256
XH2.54-4P#4 [mil]
  rect 60x80 hole 35: 1(9,0)
  oval 60x80 hole 35: 2(100,0) 3(200,0) 4(309,0)
  silkscreen extent -120,-140 400,90, body extent -100,-140 400,90, height 256
Y-CPX-32GA-4P [mm]
  rect 1.3x1.1 smd: 1(0,0) 2(2.5,0) 3(2.5,1.9) 4(0,1.9)
  silkscreen extent -1,-1.44 3.5,2.8

## Part data
ANT1: library part J-IPEX, "天线接口IPEX"
C1 C8 C9 C12 C13 C14 C15 C16 C17 C18 C19 C21 C25 C27 C28 C29 C34 C35 C36 C37 C38 C39 C45 C53: library part C0603X7R-330J25V, "贴片电容-陶瓷", =无编码有封装, 生产商="风华 三星", 规格型号=33pF±5%_25V_X7R_C0603
C2 C3 C5: library part C0805Y5V-226M50V, "贴片电容-陶瓷", =无封装无编码, 生产商="风华 三星", 规格型号=22uF±20%_50V_Y5V_C0805
C4 C6 C22 C24 C26 C33 C44 C49: library part C0402X7R-104J10V, "贴片电容-陶瓷", ="无编码 有封装", 生产商="风华 三星", 规格型号=100nF±5%_10V_X7R_C0402
C7 C11: library part C0402X7R-101J10V, "贴片电容-陶瓷", 生产商="风华 三星", 规格型号=100pF±5%_10V_X7R_C0402
C10 C32 C40: library part C0805X7R-226K25V, "贴片电容-陶瓷", 生产商="风华 三星", 规格型号=22uF±10%_25V_X7R_C0805
C20 C23 C30 C31 C41 C42: library part C0402X7R-220J10V, "贴片电容-陶瓷", =无编码有封装, 生产商="风华 三星", 规格型号=22pF±5%_10V_X7R_C0402
C43: library part C0402X7R-330J10V, "贴片电容-陶瓷", =无编码有封装, 生产商="风华 三星", 规格型号=33pF±5%_10V_X7R_C0402
C46 C52 C57: library part C0603X7R-106K50V, "贴片电容-陶瓷", ="无编码 有封装", 生产商="风华 三星", 规格型号=10uF±10%_50V_X7R_C0603
C47 C48: library part C0603X7R-475K16V, "贴片电容-陶瓷", =无编码有封装, 生产商="风华 三星", 规格型号=4.7uF±10%_16V_X7R_C0603
C50 C51 C55 C56: library part "C1206-A型 极性电容", "C 1206钽电容 --220UF 10V 3216 A型 有极性电容 3.2mm X 1.6mm", 参数="C 1206钽电容 --220UF 20% 10V 3216 A型 有极性 白色为正 电容 3.2mm X 1.6mm"
C54: library part C0603X7R-105K16V, "贴片电容-陶瓷", ="无编码 有封装", 生产商="风华 三星", 规格型号=1uF±10%_16V_X7R_C0603
D1 D2 D3 D4 D5 D6 D7 D8 D9 D10 D11 D12 D13 D14 D15 D16: library part DF-RS1M-1A1000V, "贴片二极管-快恢复", 规格型号=RS1M-1A1000V, 货品编码=321010
D19 D20 D21 D22 D23 D24: library part "D Zener", "Zener Diode"
EC1 EC2 EC3 EC4: library part CES-100uF/16V, "贴片铝电解电容", =无编码有封装, 生产商=三星, 规格型号=100uF_16V_±10%_+105℃
J4 J5 J8 J9 J15 J18 J19: library part J-XH2.54-4P, "接插件-2.54", 规格型号=XH2.54-4P, 货品编码=371015
J6 J7 J10 J11 J20 J21 J22 SW1 SW2 SW3 SW4: library part J-XH2.54-2P, "接插件-2.54", 规格型号=XH2.54-2P, 货品编码=371007
J14 J50: library part J-S2.54-2P, "单排排针-直针", 规格型号=S2.54-2P, 货品编码=372013
J17 J30 J40: library part J-S2.54-3P, "单排排针-直针", 规格型号=S2.54-3P, 货品编码=372015
L1 L2: library part LI-0608-10uH1A, "插件电感-工形", 规格型号=LI-0608-10uH1A, 货品编码=无样品无编码
L3: "贴片电感-屏蔽"
L4 L5 L6 L7 L8 L9 L10 L11 L12 L13 L14 L15 L16 L17 L18 R84: library part R0603-47KF, "贴片电阻-通用", 生产商="厚声 国巨", 规格型号=47K±1%_1/10W_±200ppm_R0603, 货品编码=无样品无编码
L19: library part L-0805-3.3uH, "贴片电感-层叠", 规格型号=L0805-3.3uH
R1 R2 R3 R4 R5 R15 R16 R17 R20 R21 R22 R26 R27 R28 R29 R30 R31 R33 R34 R35 R36 R37 R38 R39 R40 R52 R67 R80: library part R0603-2KF, "贴片电阻-通用", 生产商="厚声 国巨", 规格型号=2K±1%_1/10W_±200ppm_R0603
R6 R7 R58 R61 R65 R73: library part R0603-100KF, "贴片电阻-通用", 生产商="厚声 国巨", 规格型号=100K±1%_1/10W_±200ppm_R0603, 货品编码=无样品无编码
R8 R9 R10 R11 R12 R13 R14 R18 R19 R23 R24 R32: library part R0402-4.7KF, "贴片电阻-通用"
R25 R41 R42 R47 R49 R50 R51 R53 R54 R55 R56 R57 R59 R60 R62 R68 R69 R70 R71 R72 R81 R82: library part R0603-10KF, "贴片电阻-通用", 生产商="厚声 国巨", 规格型号=10K±1%_1/10W_±200ppm_R0603
R43: library part R0603-100RF, "贴片电阻-通用", 生产商="厚声 国巨", 规格型号=100R±1%_1/10W_±200ppm_R0603
R44: library part R0603-470RF, "贴片电阻-通用", 生产商="厚声 国巨", 规格型号=470R±1%_1/10W_±200ppm_R0603, 货品编码=无样品无编码
R45 R48: library part R0603-3KF, "贴片电阻-通用", 生产商="厚声 国巨", 规格型号=3K±1%_1/10W_±200ppm_R0603, 货品编码=无样品无编码
R46: library part R0603-560KF, "贴片电阻-通用", 生产商="厚声 国巨", 规格型号=560K±1%_1/10W_±200ppm_R0603
R63: library part R0603-6.8KF, "贴片电阻-通用", 生产商="厚声 国巨", 规格型号=6.8K±1%_1/10W_±200ppm_R0603, 货品编码=无样品无编码
R64 R66: library part R0603-0R, "贴片电阻-通用", 生产商="厚声 国巨", 规格型号=0R_1/10W_±200ppm_R0603, 货品编码=无样品无编码
R74: library part R0603-33RF, "贴片电阻-通用", 生产商="厚声 国巨", 规格型号=33R±1%_1/10W_±200ppm_R0603, 货品编码=无样品无编码
R75 R76 R77 R78 R79: library part R0603-33KF, "贴片电阻-通用", 生产商="厚声 国巨", 规格型号=33K±1%_1/10W_±200ppm_R0603
R83: library part R0603-1KF, "贴片电阻-通用", 生产商="厚声 国巨", 规格型号=1K±1%_1/10W_±200ppm_R0603, 货品编码=无样品无编码
U10: "单片机"
Y1: library part YC-26MHz, "晶振-贴片无源", 规格型号=26MHz_贴片晶振3225